# KiCad board PicoGUS chipdown.kicad_pcb
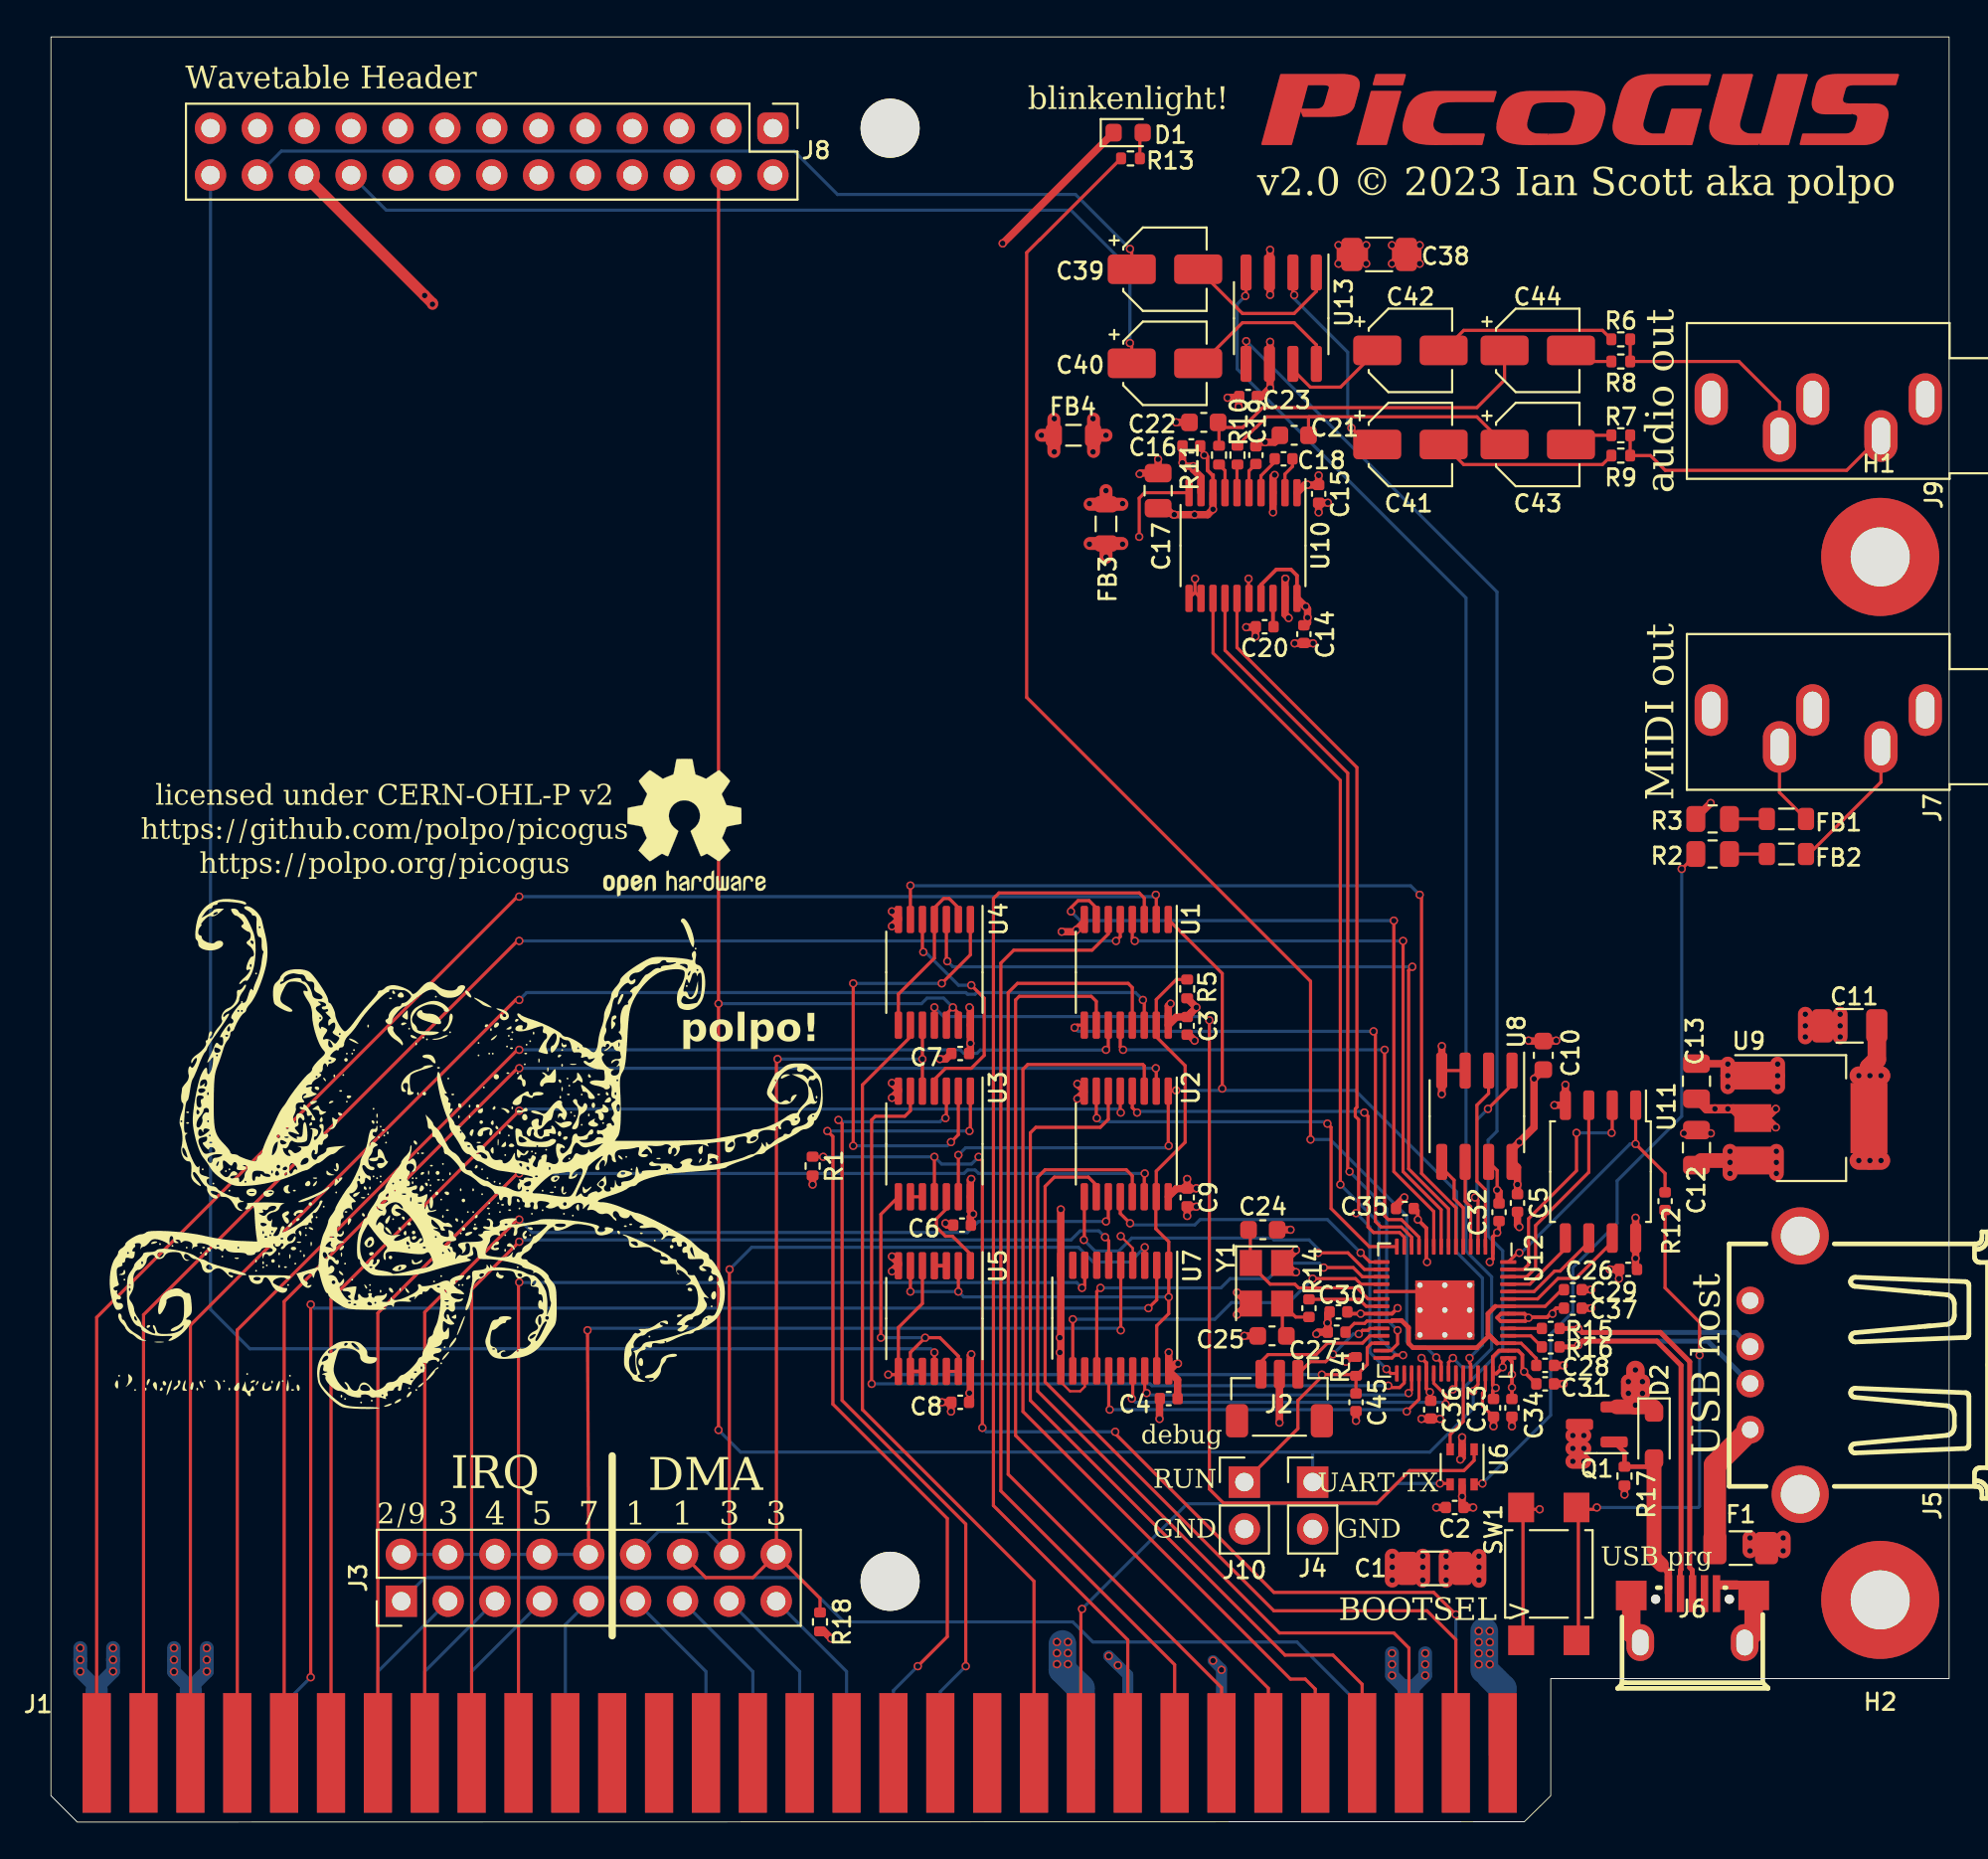
[diagram p0: board, top side]
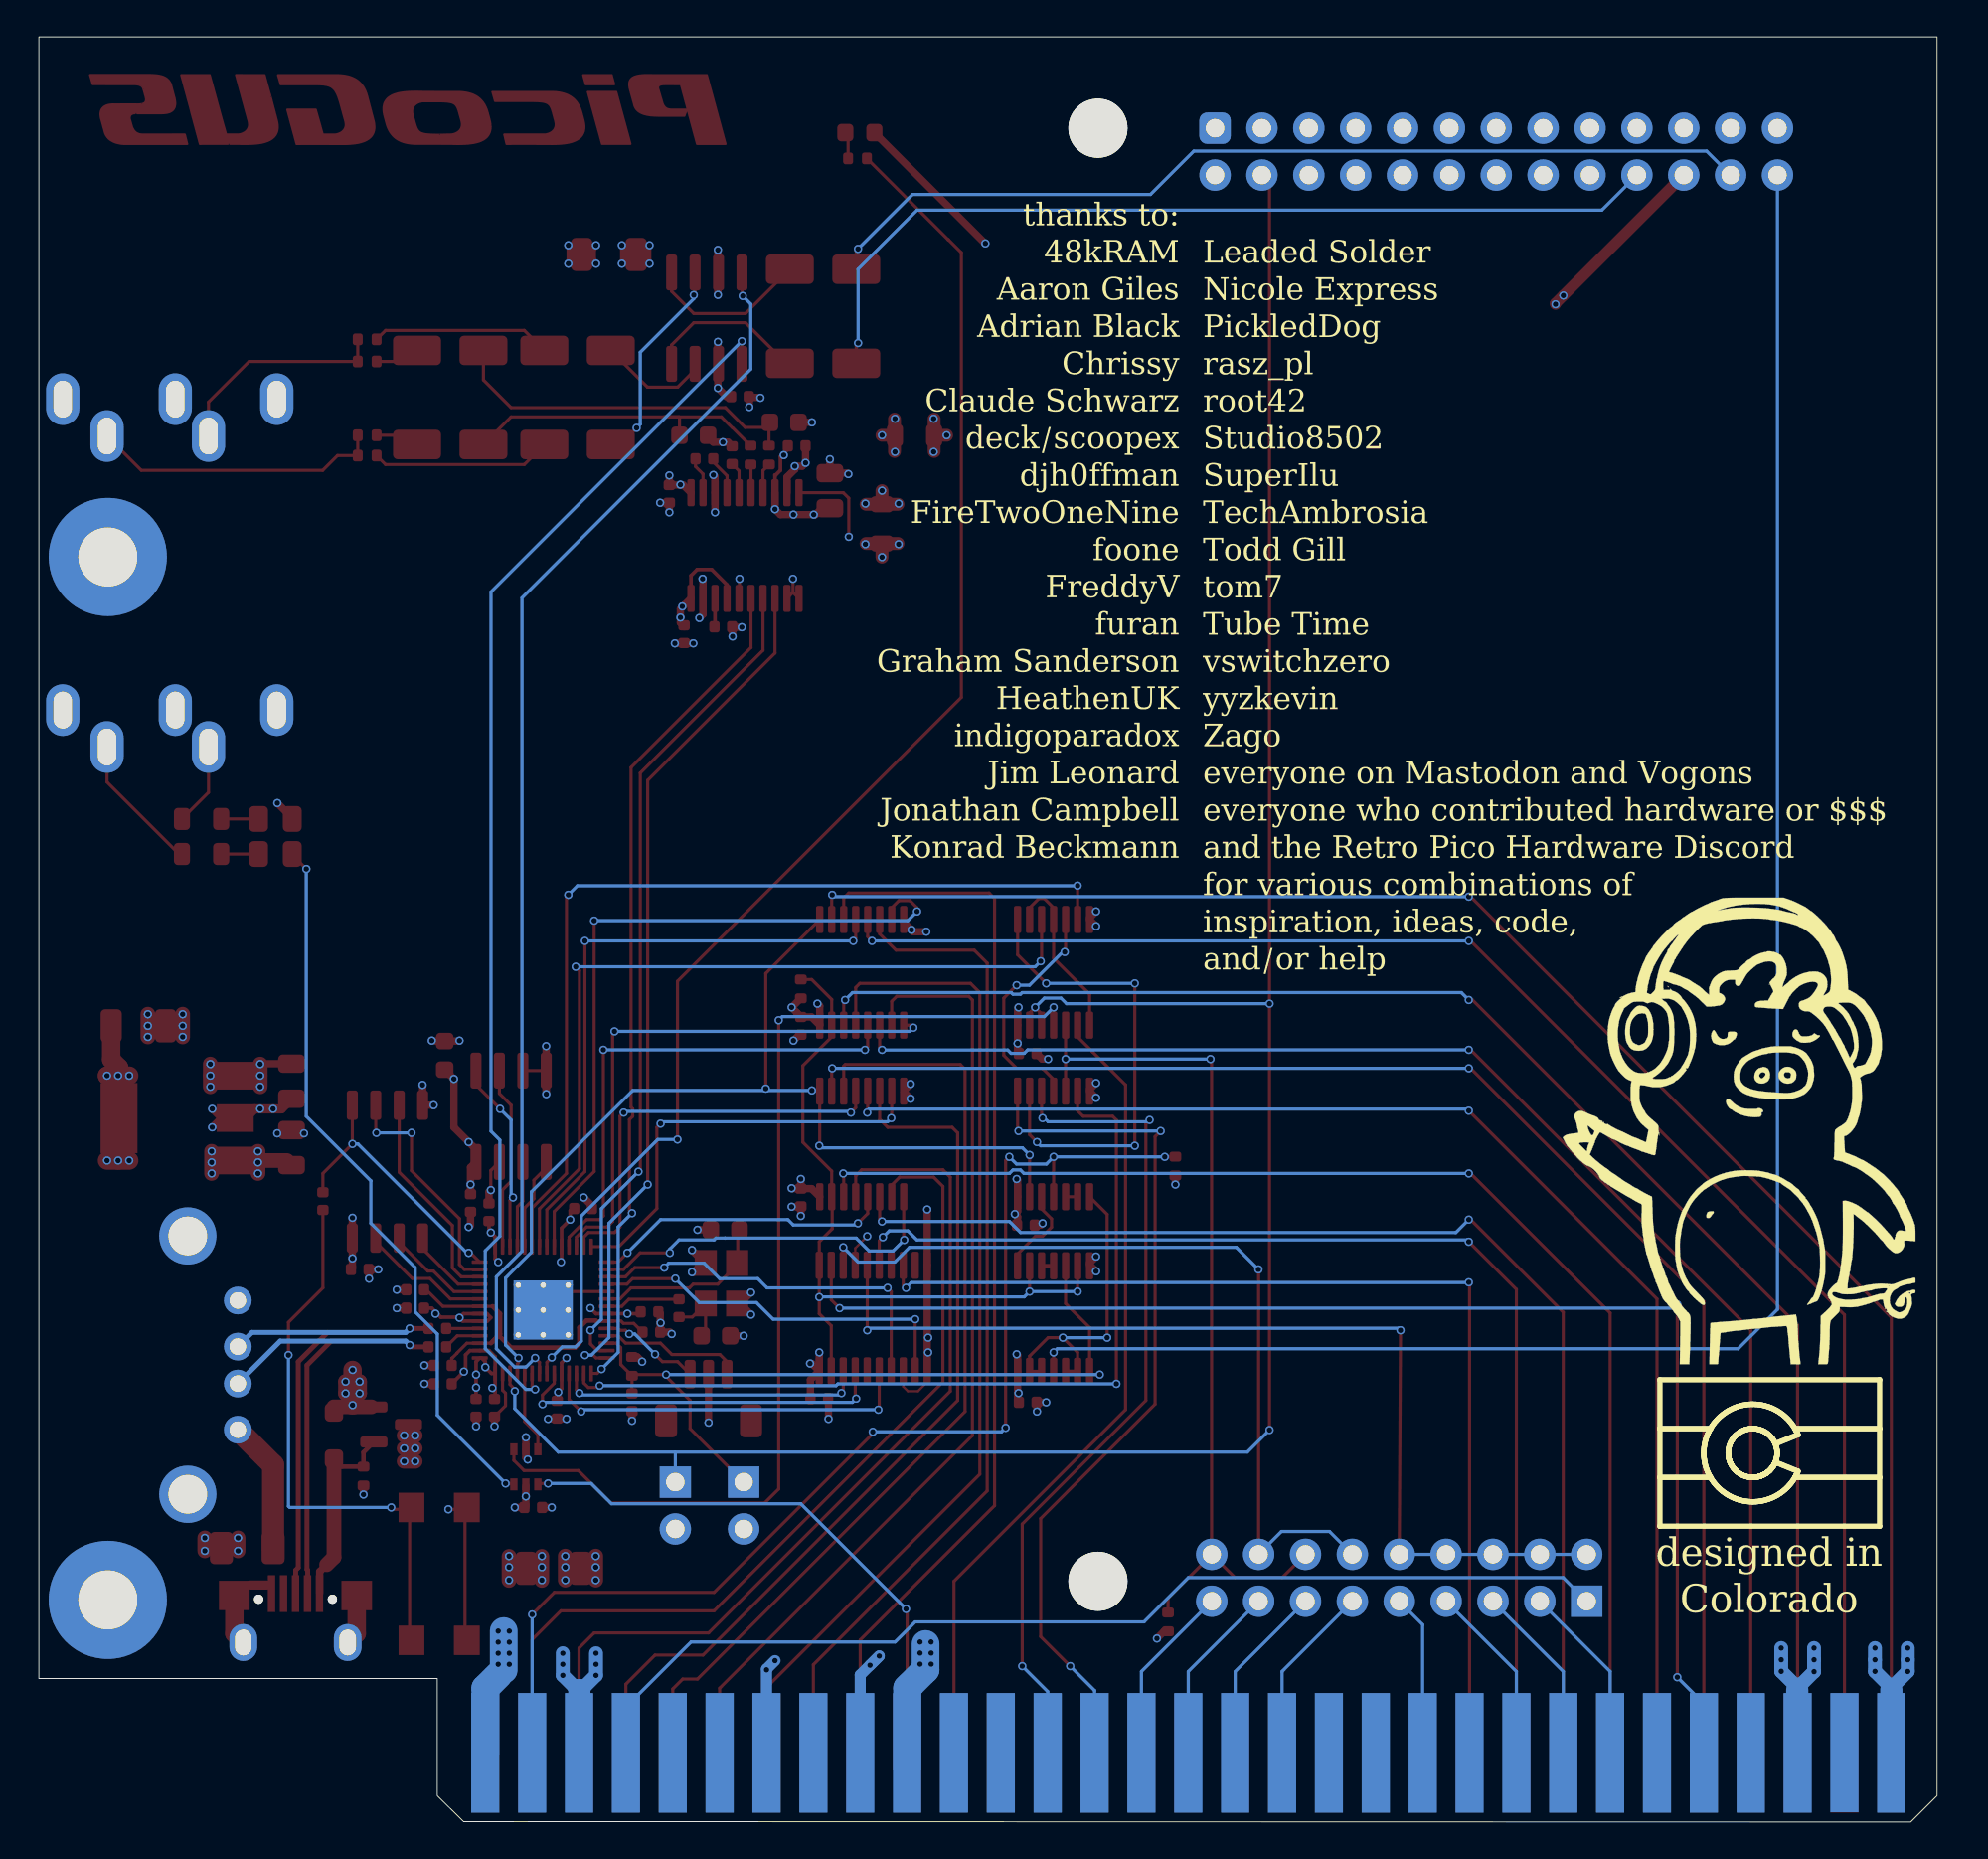
[diagram p1: board, bottom side, seen from below]

Outline 102.87 x 96.74 mm; copper layers: Top, In1.Cu, In2.Cu, Bottom. Coordinates in mm from the lower left corner of the outline.
Outline path: 102.87,7.78 81.28,7.78 81.28,1.43 79.85,0.02 1.43,0 0,1.43 0,96.74 102.87,96.74 closed
Stack: Top 0.035mm / dielectric 0.2104mm FR4 er 4.5 / In1.Cu 0.0152mm / dielectric 1.065mm FR4 er 4.5 / In2.Cu 0.0152mm / dielectric 0.2104mm FR4 er 4.5 / Bottom 0.035mm

## Placement (name value [footprint] x y rotation side)
C1  47uF  [C_1206_3216Metric]  74.98 13.75 180 top
C2  0.1uF  [C_0402_1005Metric]  76.08 17.05 180 top
C3  0.1uF  [C_0402_1005Metric]  61.58 43.15 270 top
C4  0.1uF  [C_0402_1005Metric]  60.58 22.95 180 top
C5  0.1uF  [C_0402_1005Metric]  79.48 33.55 270 top
C6  0.1uF  [C_0402_1005Metric]  49.38 32.35 180 top
C7  0.1uF  [C_0402_1005Metric]  49.28 41.65 180 top
C8  0.1uF  [C_0402_1005Metric]  49.28 22.75 180 top
C9  0.1uF  [C_0402_1005Metric]  61.58 33.85 270 top
C10  1uF  [C_0603_1608Metric]  80.88 41.55 90 top
C11  47uF  [C_1206_3216Metric]  97.48 43.15 180 top
C12  10u  [C_0805_2012Metric]  89.18 36.55 90 top
C13  10u  [C_0805_2012Metric]  89.18 40.15 90 top
C14  0.1uF  [C_0402_1005Metric]  67.9 64.37 90 top
C15  0.1uF  [C_0402_1005Metric]  68.7 71.97 90 top
C16  0.1uF  [C_0402_1005Metric]  61.8 74.57 0 top
C17  10uF  [C_0805_2012Metric]  60 72.15 90 top
C18  2.2uF  [C_0402_1005Metric]  66.8 73.87 180 top
C19  2.2uF  [C_0402_1005Metric]  65.3 74.07 90 top
C20  0.1uF  [C_0402_1005Metric]  65.78 64.77 180 top
C21  2.2nF  [C_0603_1608Metric]  67.38 75.15 0 top
C22  2.2nF  [C_0603_1608Metric]  62.48 75.85 0 top
C23  100nF  [C_0402_1005Metric]  64.88 77.25 180 top
C24  30pF  [C_0603_1608Metric]  65.68 32.1 0 top
C25  30pF  [C_0603_1608Metric]  66.18 26.35 180 top
C26  100n  [C_0402_1005Metric]  85.48 29.95 180 top
C27  100n  [C_0402_1005Metric]  69.68 26.55 180 top
C28  100n  [C_0402_1005Metric]  80.98 24.75 0 top
C29  1u  [C_0402_1005Metric]  82.48 28.85 0 top
C30  100n  [C_0402_1005Metric]  69.78 27.65 180 top
C31  1u  [C_0402_1005Metric]  80.98 23.75 0 top
C32  100n  [C_0402_1005Metric]  78.48 33.05 90 top
C33  100n  [C_0402_1005Metric]  78.18 22.45 270 top
C34  100n  [C_0402_1005Metric]  79.18 22.45 270 top
C35  100n  [C_0402_1005Metric]  73.38 33.25 180 top
C36  100n  [C_0402_1005Metric]  74.78 22.35 270 top
C37  100n  [C_0402_1005Metric]  82.48 27.85 0 top
C38  100uF  [C_1206_3216Metric]  71.98 84.95 0 top
C39  2.2uF  [CP_Elec_4x5.4]  60.37 84.15 0 top
C40  2.2uF  [CP_Elec_4x5.4]  60.37 79.05 0 top
C41  2.2uF  [CP_Elec_4x5.4]  73.68 74.65 0 top
C42  2.2uF  [CP_Elec_4x5.4]  73.68 79.75 0 top
C43  2.2uF  [CP_Elec_4x5.4]  80.58 74.65 0 top
C44  2.2uF  [CP_Elec_4x5.4]  80.58 79.75 0 top
C45  0.1uF  [C_0402_1005Metric]  70.73 22.75 270 top
D1  LED  [LED_0603_1608Metric]  58.38 91.55 0 top
D2  D_Schottky  [D_SOD-323_HandSoldering]  86.88 20.95 270 top
F1  Polyfuse  [Fuse_1206_3216Metric]  91.58 14.85 0 top
FB1  1KΩ@100MHz  [L_0805_2012Metric]  94.05 52.46 0 top
FB2  1KΩ@100MHz  [L_0805_2012Metric]  94.05 54.36 0 top
FB3  100Ω@100MHz  [L_0805_2012Metric]  57.18 70.35 90 top
FB4  100Ω@100MHz  [L_0805_2012Metric]  55.42 75.15 0 top
H1  -  [MountingHole_3.2mm_M3_Pad]  99.14 68.56 0 top
H2  -  [MountingHole_3.2mm_M3_Pad]  99.14 12.04 0 top
J1  Bus_ISA_8bit  [BUS_PC_chamfer]  40.58 3.94 0 top
J2  DEBUG  [JST_SH_BM03B-SRSS-TB_1x03-1MP_P1.00mm_Vertical]  66.58 22.95 180 top
J3  IRQDMA_JP  [PinHeader_2x09_P2.54mm_Vertical]  18.99 11.97 90 top
J4  UART_TX  [PinHeader_1x02_P2.54mm_Vertical]  68.38 18.42 0 top
J5  USB_A - joy  [USB-A_902-131A1011D10100]  93.45 24.75 90 top
J6  USB_B_Micro - program  [USB-microB_U254-051T-4BH83-F1S]  88.96 11.05 0 top
J7  3.5mm TRS  [Jack_3.5mm_CUI_SJ1-3535NG_Horizontal]  101.58 60.26 270 top
J8  -  [Wavetable]  39.13 91.69 0 top
J9  3.5mm TRS  [Jack_3.5mm_CUI_SJ1-3535NG_Horizontal]  101.58 77.11 270 top
J10  Conn_01x02_Pin  [PinHeader_1x02_P2.54mm_Vertical]  64.68 18.42 0 top
Q1  AO3401A  [SOT-23]  83.78 21.55 180 top
R1  10K  [R_0402_1005Metric]  41.28 35.55 270 top
R2  220  [R_0805_2012Metric]  90.05 52.46 0 top
R3  220  [R_0805_2012Metric]  90.05 54.36 180 top
R4  1K  [R_0402_1005Metric]  70.73 24.7 270 top
R5  10K  [R_0402_1005Metric]  61.58 45.15 90 top
R6  1K  [R_0402_1005Metric]  85.08 80.35 0 top
R7  1K  [R_0402_1005Metric]  85.08 74.05 0 top
R8  1K  [R_0402_1005Metric]  85.08 79.15 180 top
R9  1K  [R_0402_1005Metric]  85.08 75.15 180 top
R10  470  [R_0402_1005Metric]  64.3 74.07 90 top
R11  470  [R_0402_1005Metric]  63.3 74.07 90 top
R12  1k  [C_0402_1005Metric]  87.48 33.65 270 top
R13  470  [R_0402_1005Metric]  58.5 90.15 0 top
R14  1k  [C_0402_1005Metric]  68.18 27.85 270 top
R15  27  [C_0402_1005Metric]  81.28 26.75 180 top
R16  27  [C_0402_1005Metric]  81.28 25.75 180 top
R17  15K  [R_0402_1005Metric]  85.28 18.75 270 top
R18  15K  [R_0402_1005Metric]  41.68 10.85 270 top
REF**  -  [OSHW-Logo2_9.8x8mm_SilkScreen]  34.33 53.9 0 top
SW1  SW_Push  [SW_SPST_TL3305A]  81.18 13.45 270 top
U1  SN74CB3T3257  [TSSOP-16_4.4x5mm_P0.65mm]  58.28 46.05 270 top
U2  SN74CB3T3257  [TSSOP-16_4.4x5mm_P0.65mm]  58.28 36.75 270 top
U3  74AHC14  [TSSOP-14_4.4x5mm_P0.65mm]  47.88 36.75 270 top
U4  74LVC00  [TSSOP-14_4.4x5mm_P0.65mm]  47.88 46.05 270 top
U5  74LVC00  [TSSOP-14_4.4x5mm_P0.65mm]  47.88 27.29 270 top
U6  74LVC2G06  [SOT-363_SC-70-6]  76.48 19.25 270 top
U7  SN74CB3T3245  [TSSOP-20_4.4x6.5mm_P0.65mm]  57.65 27.31 270 top
U8  APS6404L-3SQR-SN  [SOIC-8_3.9x4.9mm_P1.27mm]  77.28 38.25 270 top
U9  AMS1117-3.3_SOT223  [SOT-223-3_TabPin2]  95.38 38.15 0 top
U10  PCM5100  [TSSOP-20_4.4x6.5mm_P0.65mm]  64.6 69.17 270 top
U11  W25Q128JVS  [SOIC-8_5.23x5.23mm_P1.27mm]  83.98 35.25 270 top
U12  RP2040  [QFN-56-1EP_7x7mm_P0.4mm_EP3.2x3.2mm_ThermalVias]  75.54 27.75 270 top
U13  M62429L  [SOIC-8_3.9x4.9mm_P1.27mm]  66.67 81.49 270 top
Y1  ABLS-12.000MHZ-B4-T  [Crystal_SMD_3225-4Pin_3.2x2.5mm]  65.88 29.2 270 top

## Library data of the parts
C1 C11 = -: Description: Polarized capacitor, US symbol
C2-C10 C12 C13 C23-C38 C45 = -: Description: Unpolarized capacitor
C14-C22 = -: Description: Unpolarized capacitor, small symbol
C39-C44 = -: Description: Polarized capacitor, small symbol
D1 = -: Description: Light emitting diode
D2 = -: Description: Schottky diode
F1 = -: Description: Resettable fuse, polymeric positive temperature coefficient
FB1 FB2 = -: Description: Ferrite bead
FB3 FB4 = -: Description: Ferrite bead, small symbol
H1 H2 = -: Description: Mounting Hole with connection
J1 = -: Description: 8-bit ISA-PC bus connector
J2 = -: Description: Generic connector, single row, 01x03, script generated (kicad-library-utils/schlib/autogen/connector/)
J3 = -: Description: Generic connector, double row, 02x09, odd/even pin numbering scheme (row 1 odd numbers, row 2 even numbers), script generated (kicad-library-utils/schlib/autogen/connector/)
J4 = -: Description: Generic connector, single row, 01x02, script generated (kicad-library-utils/schlib/autogen/connector/)
J5 = -: Description: USB Type A connector
J7 = -: Description: Audio Jack, 3 Poles (Stereo / TRS)
J8 = -: Description: Generic connector, double row, 02x13, odd/even pin numbering scheme (row 1 odd numbers, row 2 even numbers), script generated (kicad-library-utils/schlib/autogen/connector/)
J9 = -: Description: Audio Jack, 3 Poles (Stereo / TRS), Switched TR Poles (Normalling)
J10 = -: Description: Generic connector, single row, 01x02, script generated
Q1 = -: Description: -4.0A Id, -30V Vds, P-Channel MOSFET, SOT-23
R1-R9 R12-R18 = -: Description: Resistor
R10 R11 = -: Description: Resistor, small symbol
SW1 = -: Description: Push button switch, generic, two pins
U1 U2 = -: Description: 74FST3257DR2G, LOG QUAD 2:1 MULTIPLEXER ON Semiconductor 74FST3257DR2G, Multiplexer Switch IC Quad 2:1 Demultiplexer, 4  5.5 V, 16-Pin SOIC; Arrow Part Number: 74FST3257DR2G; Arrow Price/Stock: https://www.arrow.com/en/products/74fst3257dr2g/on-semiconductor?region=nac; Height: 1.75; Manufacturer_Name: onsemi; Manufacturer_Part_Number: 74FST3257DR2G; Mouser Part Number: 863-74FST3257DR2G; Mouser Price/Stock: https://www.mouser.co.uk/ProductDetail/onsemi/74FST3257DR2G?qs=OSf9jACorvaK4JqsHVrhPw%3D%3D
U3 = -: Description: Hex inverter schmitt trigger
U4 U5 = -: Description: quad 2-input NAND gate
U6 = -: Description: Dual Buffer w/ Open Drain, Low-Voltage CMOS
U7 = -: Description: 8-bit Buffer/Line Driver 3-state
U8 = -: Description: 32 Mbit serial pseudo SRAM device organized as 4Mx8 bits, 1.8 VCC, SOIC8 (SOP8)
U9 = -: Description: 1A Low drop-out regulator, Fixed Output 3.3V, SOT-223
U10 = -: Description: 2VRMS DirectPath, 100dB Audio Stereo DAC with 32-bit, 384kHz PCM Interface, TSSOP-20
Y1 = -: Description: Four pin crystal, GND on pins 2 and 4

## Footprints (pads in the part's own frame, mm; a bottom-side part is the same pattern mirrored in y, then rotated)
BUS_PC_chamfer
  rect 1.524x6.478 smd far side: 1(38.1,-0.191) 2(35.56,-0.191) 3(33.02,-0.191) 4(30.48,-0.191) 5(27.94,-0.191) 6(25.4,-0.191) 7(22.86,-0.191) 8(20.32,-0.191) 9(17.78,-0.191) 10(15.24,-0.191) 11(12.7,-0.191) 12(10.16,-0.191) 13(7.62,-0.191) 14(5.08,-0.191) 15(2.54,-0.191) 16(0,-0.191) 17(-2.54,-0.191) 18(-5.08,-0.191) 19(-7.62,-0.191) 20(-10.16,-0.191) 21(-12.7,-0.191) 22(-15.24,-0.191) 23(-17.78,-0.191) 24(-20.32,-0.191) 25(-22.86,-0.191) 26(-25.4,-0.191) 27(-27.94,-0.191) 28(-30.48,-0.191) 29(-33.02,-0.191) 31(-38.1,-0.191)
  rect 1.524x6.458 smd far side: 30(-35.56,-0.181)
  rect 1.524x6.478 smd: 32(38.1,-0.191) 33(35.56,-0.191) 34(33.02,-0.191) 35(30.48,-0.191) 36(27.94,-0.191) 37(25.4,-0.191) 38(22.86,-0.191) 39(20.32,-0.191) 40(17.78,-0.191) 41(15.24,-0.191) 42(12.7,-0.191) 43(10.16,-0.191) 44(7.62,-0.191) 45(5.08,-0.191) 46(2.54,-0.191) 47(0,-0.191) 48(-2.54,-0.191) 49(-5.08,-0.191) 50(-7.62,-0.191) 51(-10.16,-0.191) 52(-12.7,-0.191) 53(-15.24,-0.191) 54(-17.78,-0.191) 55(-20.32,-0.191) 56(-22.86,-0.191) 57(-25.4,-0.191) 58(-27.94,-0.191) 59(-30.48,-0.191) 60(-33.02,-0.191) 61(-35.56,-0.191) 62(-38.1,-0.191)
C_0402_1005Metric
  rrect 0.56x0.62 smd: 1(-0.48,0) 2(0.48,0)
C_0603_1608Metric
  rrect 0.9x0.95 smd: 1(-0.775,0) 2(0.775,0)
C_0805_2012Metric
  rrect 1x1.45 smd: 1(-0.95,0) 2(0.95,0)
C_1206_3216Metric
  rrect 1.15x1.8 smd: 1(-1.475,0) 2(1.475,0)
CP_Elec_4x5.4
  rrect 2.6x1.6 smd: 1(-1.8,0) 2(1.8,0)
Crystal_SMD_3225-4Pin_3.2x2.5mm
  rect 1.4x1.2 smd: 1(-1.1,-0.85) 2(1.1,-0.85) 3(1.1,0.85) 4(-1.1,0.85)
D_SOD-323_HandSoldering
  rrect 1x1 smd: 1(-1.25,0) 2(1.25,0)
Fuse_1206_3216Metric
  rrect 1.25x1.75 smd: 1(-1.4,0) 2(1.4,0)
Jack_3.5mm_CUI_SJ1-3535NG_Horizontal
  oval 2.8x1.8 hole 2x1: R(2,-7.9) RN(0,-6.1) S(0,0) T(2,-2.4) TN(0,-11.6)
JST_SH_BM03B-SRSS-TB_1x03-1MP_P1.00mm_Vertical
  rrect 0.6x1.55 smd: 1(-1,-1.325) 2(0,-1.325) 3(1,-1.325)
  rrect 1.2x1.8 smd: MP(-2.3,1.2) MP(2.3,1.2)
L_0805_2012Metric
  rrect 0.875x1.2 smd: 1(-1.062,0) 2(1.062,0)
LED_0603_1608Metric
  rrect 0.875x0.95 smd: 1(-0.787,0) 2(0.787,0)
MountingHole_3.2mm_M3_Pad
  round 6.4 hole 3.2: 1(0,0)
PinHeader_1x02_P2.54mm_Vertical
  rect 1.7x1.7 hole 1: 1(0,0)
  oval 1.7x1.7 hole 1: 2(0,-2.54)
PinHeader_2x09_P2.54mm_Vertical
  rect 1.7x1.7 hole 1: 1(0,0)
  oval 1.7x1.7 hole 1: 2(2.54,0) 3(0,-2.54) 4(2.54,-2.54) 5(0,-5.08) 6(2.54,-5.08) 7(0,-7.62) 8(2.54,-7.62) 9(0,-10.16) 10(2.54,-10.16) 11(0,-12.7) 12(2.54,-12.7) 13(0,-15.24) 14(2.54,-15.24) 15(0,-17.78) 16(2.54,-17.78) 17(0,-20.32) 18(2.54,-20.32)
QFN-56-1EP_7x7mm_P0.4mm_EP3.2x3.2mm_ThermalVias
  custom 1.239x1.239 smd: (-0.675,0.675)
  rrect 0.875x0.2 smd: 1(-3.438,2.6) 2(-3.438,2.2) 3(-3.438,1.8) 4(-3.438,1.4) 5(-3.438,1) 6(-3.438,0.6) 7(-3.438,0.2) 8(-3.438,-0.2) 9(-3.438,-0.6) 10(-3.438,-1) 11(-3.438,-1.4) 12(-3.438,-1.8) 13(-3.438,-2.2) 14(-3.438,-2.6) 29(3.438,-2.6) 30(3.438,-2.2) 31(3.438,-1.8) 32(3.438,-1.4) 33(3.438,-1) 34(3.438,-0.6) 35(3.438,-0.2) 36(3.438,0.2) 37(3.438,0.6) 38(3.438,1) 39(3.438,1.4) 40(3.438,1.8) 41(3.438,2.2) 42(3.438,2.6)
  rrect 0.2x0.875 smd: 15(-2.6,-3.438) 16(-2.2,-3.438) 17(-1.8,-3.438) 18(-1.4,-3.438) 19(-1,-3.438) 20(-0.6,-3.438) 21(-0.2,-3.438) 22(0.2,-3.438) 23(0.6,-3.438) 24(1,-3.438) 25(1.4,-3.438) 26(1.8,-3.438) 27(2.2,-3.438) 28(2.6,-3.438) 43(2.6,3.438) 44(2.2,3.438) 45(1.8,3.438) 46(1.4,3.438) 47(1,3.438) 48(0.6,3.438) 49(0.2,3.438) 50(-0.2,3.438) 51(-0.6,3.438) 52(-1,3.438) 53(-1.4,3.438) 54(-1.8,3.438) 55(-2.2,3.438) 56(-2.6,3.438)
  round 0.5 hole 0.3: 57(-1.35,1.35) 57(-1.35,-1.35) 57(-1.346,0) 57(0,1.346) 57(0,0) 57(0,-1.346) 57(1.346,0) 57(1.35,1.35) 57(1.35,-1.35)
  rect 3.2x3.2 smd: 57(0,0)
  rect 3.2x3.2 smd far side: 57(0,0)
R_0402_1005Metric
  rrect 0.54x0.64 smd: 1(-0.51,0) 2(0.51,0)
R_0805_2012Metric
  rrect 1.025x1.4 smd: 1(-0.912,0) 2(0.912,0)
SOIC-8_3.9x4.9mm_P1.27mm
  rrect 1.95x0.6 smd: 1(-2.475,1.905) 2(-2.475,0.635) 3(-2.475,-0.635) 4(-2.475,-1.905) 5(2.475,-1.905) 6(2.475,-0.635) 7(2.475,0.635) 8(2.475,1.905)
SOIC-8_5.23x5.23mm_P1.27mm
  rrect 1.6x0.6 smd: 1(-3.6,1.905) 2(-3.6,0.635) 3(-3.6,-0.635) 4(-3.6,-1.905) 5(3.6,-1.905) 6(3.6,-0.635) 7(3.6,0.635) 8(3.6,1.905)
SOT-23
  rrect 1.475x0.6 smd: 1(-0.938,0.95) 2(-0.938,-0.95) 3(0.938,0)
SOT-223-3_TabPin2
  rect 2x1.5 smd: 1(-3.15,2.3) 2(-3.15,0) 3(-3.15,-2.3)
  rect 2x3.8 smd: 2(3.15,0)
SOT-363_SC-70-6
  rect 0.65x0.4 smd: 1(-0.95,0.65) 2(-0.95,0) 3(-0.95,-0.65) 4(0.95,-0.65) 5(0.95,0) 6(0.95,0.65)
SW_SPST_TL3305A
  rect 1.6x1.4 smd: 1(-3.6,1.5) 1(3.6,1.5) 2(-3.6,-1.5) 2(3.6,-1.5)
TSSOP-14_4.4x5mm_P0.65mm
  rrect 1.475x0.4 smd: 1(-2.862,1.95) 2(-2.862,1.3) 3(-2.862,0.65) 4(-2.862,0) 5(-2.862,-0.65) 6(-2.862,-1.3) 7(-2.862,-1.95) 8(2.862,-1.95) 9(2.862,-1.3) 10(2.862,-0.65) 11(2.862,0) 12(2.862,0.65) 13(2.862,1.3) 14(2.862,1.95)
TSSOP-16_4.4x5mm_P0.65mm
  rrect 1.475x0.4 smd: 1(-2.862,2.275) 2(-2.862,1.625) 3(-2.862,0.975) 4(-2.862,0.325) 5(-2.862,-0.325) 6(-2.862,-0.975) 7(-2.862,-1.625) 8(-2.862,-2.275) 9(2.862,-2.275) 10(2.862,-1.625) 11(2.862,-0.975) 12(2.862,-0.325) 13(2.862,0.325) 14(2.862,0.975) 15(2.862,1.625) 16(2.862,2.275)
TSSOP-20_4.4x6.5mm_P0.65mm
  rrect 1.475x0.4 smd: 1(-2.862,2.925) 2(-2.862,2.275) 3(-2.862,1.625) 4(-2.862,0.975) 5(-2.862,0.325) 6(-2.862,-0.325) 7(-2.862,-0.975) 8(-2.862,-1.625) 9(-2.862,-2.275) 10(-2.862,-2.925) 11(2.862,-2.925) 12(2.862,-2.275) 13(2.862,-1.625) 14(2.862,-0.975) 15(2.862,-0.325) 16(2.862,0.325) 17(2.862,0.975) 18(2.862,1.625) 19(2.862,2.275) 20(2.862,2.925)
USB-A_902-131A1011D10100
  round 1.5 hole 0.9: 1(-3.485,1.364) 2(-0.985,1.364) 3(1.015,1.364) 4(3.515,1.364)
  round 3.1 hole 2.1: 5(-6.985,-1.346) 5(7.015,-1.346)
USB-microB_U254-051T-4BH83-F1S
  round 0.5 hole 0.5 unplated: (-2,1.025) (2,1.025)
  rect 0.4x2 smd: 1(-1.3,1.325) 2(-0.65,1.325) 3(0,1.325) 4(0.65,1.325) 5(1.3,1.325)
  rect 1.661x1.6 smd: 6(-3.32,1.225)
  oval 1.5x2 hole 0.9x1.4: 6(-2.83,-1.325) 6(2.83,-1.325)
  rect 1.661x1.593 smd: 6(3.32,1.228)
Wavetable
  round 3.2 hole 3.2 unplated: (6.35,0.097) (6.35,-78.643)
  rrect 1.7x1.7 hole 1: 1(0,0.097)
  oval 1.7x1.7 hole 1: 2(0,-2.443) 3(-2.54,0.097) 4(-2.54,-2.443) 5(-5.08,0.097) 6(-5.08,-2.443) 7(-7.62,0.097) 8(-7.62,-2.443) 9(-10.16,0.097) 10(-10.16,-2.443) 11(-12.7,0.097) 12(-12.7,-2.443) 13(-15.24,0.097) 14(-15.24,-2.443) 15(-17.78,0.097) 16(-17.78,-2.443) 17(-20.32,0.097) 18(-20.32,-2.443) 19(-22.86,0.097) 20(-22.86,-2.443) 21(-25.4,0.097) 22(-25.4,-2.443) 23(-27.94,0.097) 24(-27.94,-2.443) 25(-30.48,0.097) 26(-30.48,-2.443)
